# KiCad board LibreDAB.kicad_pcb
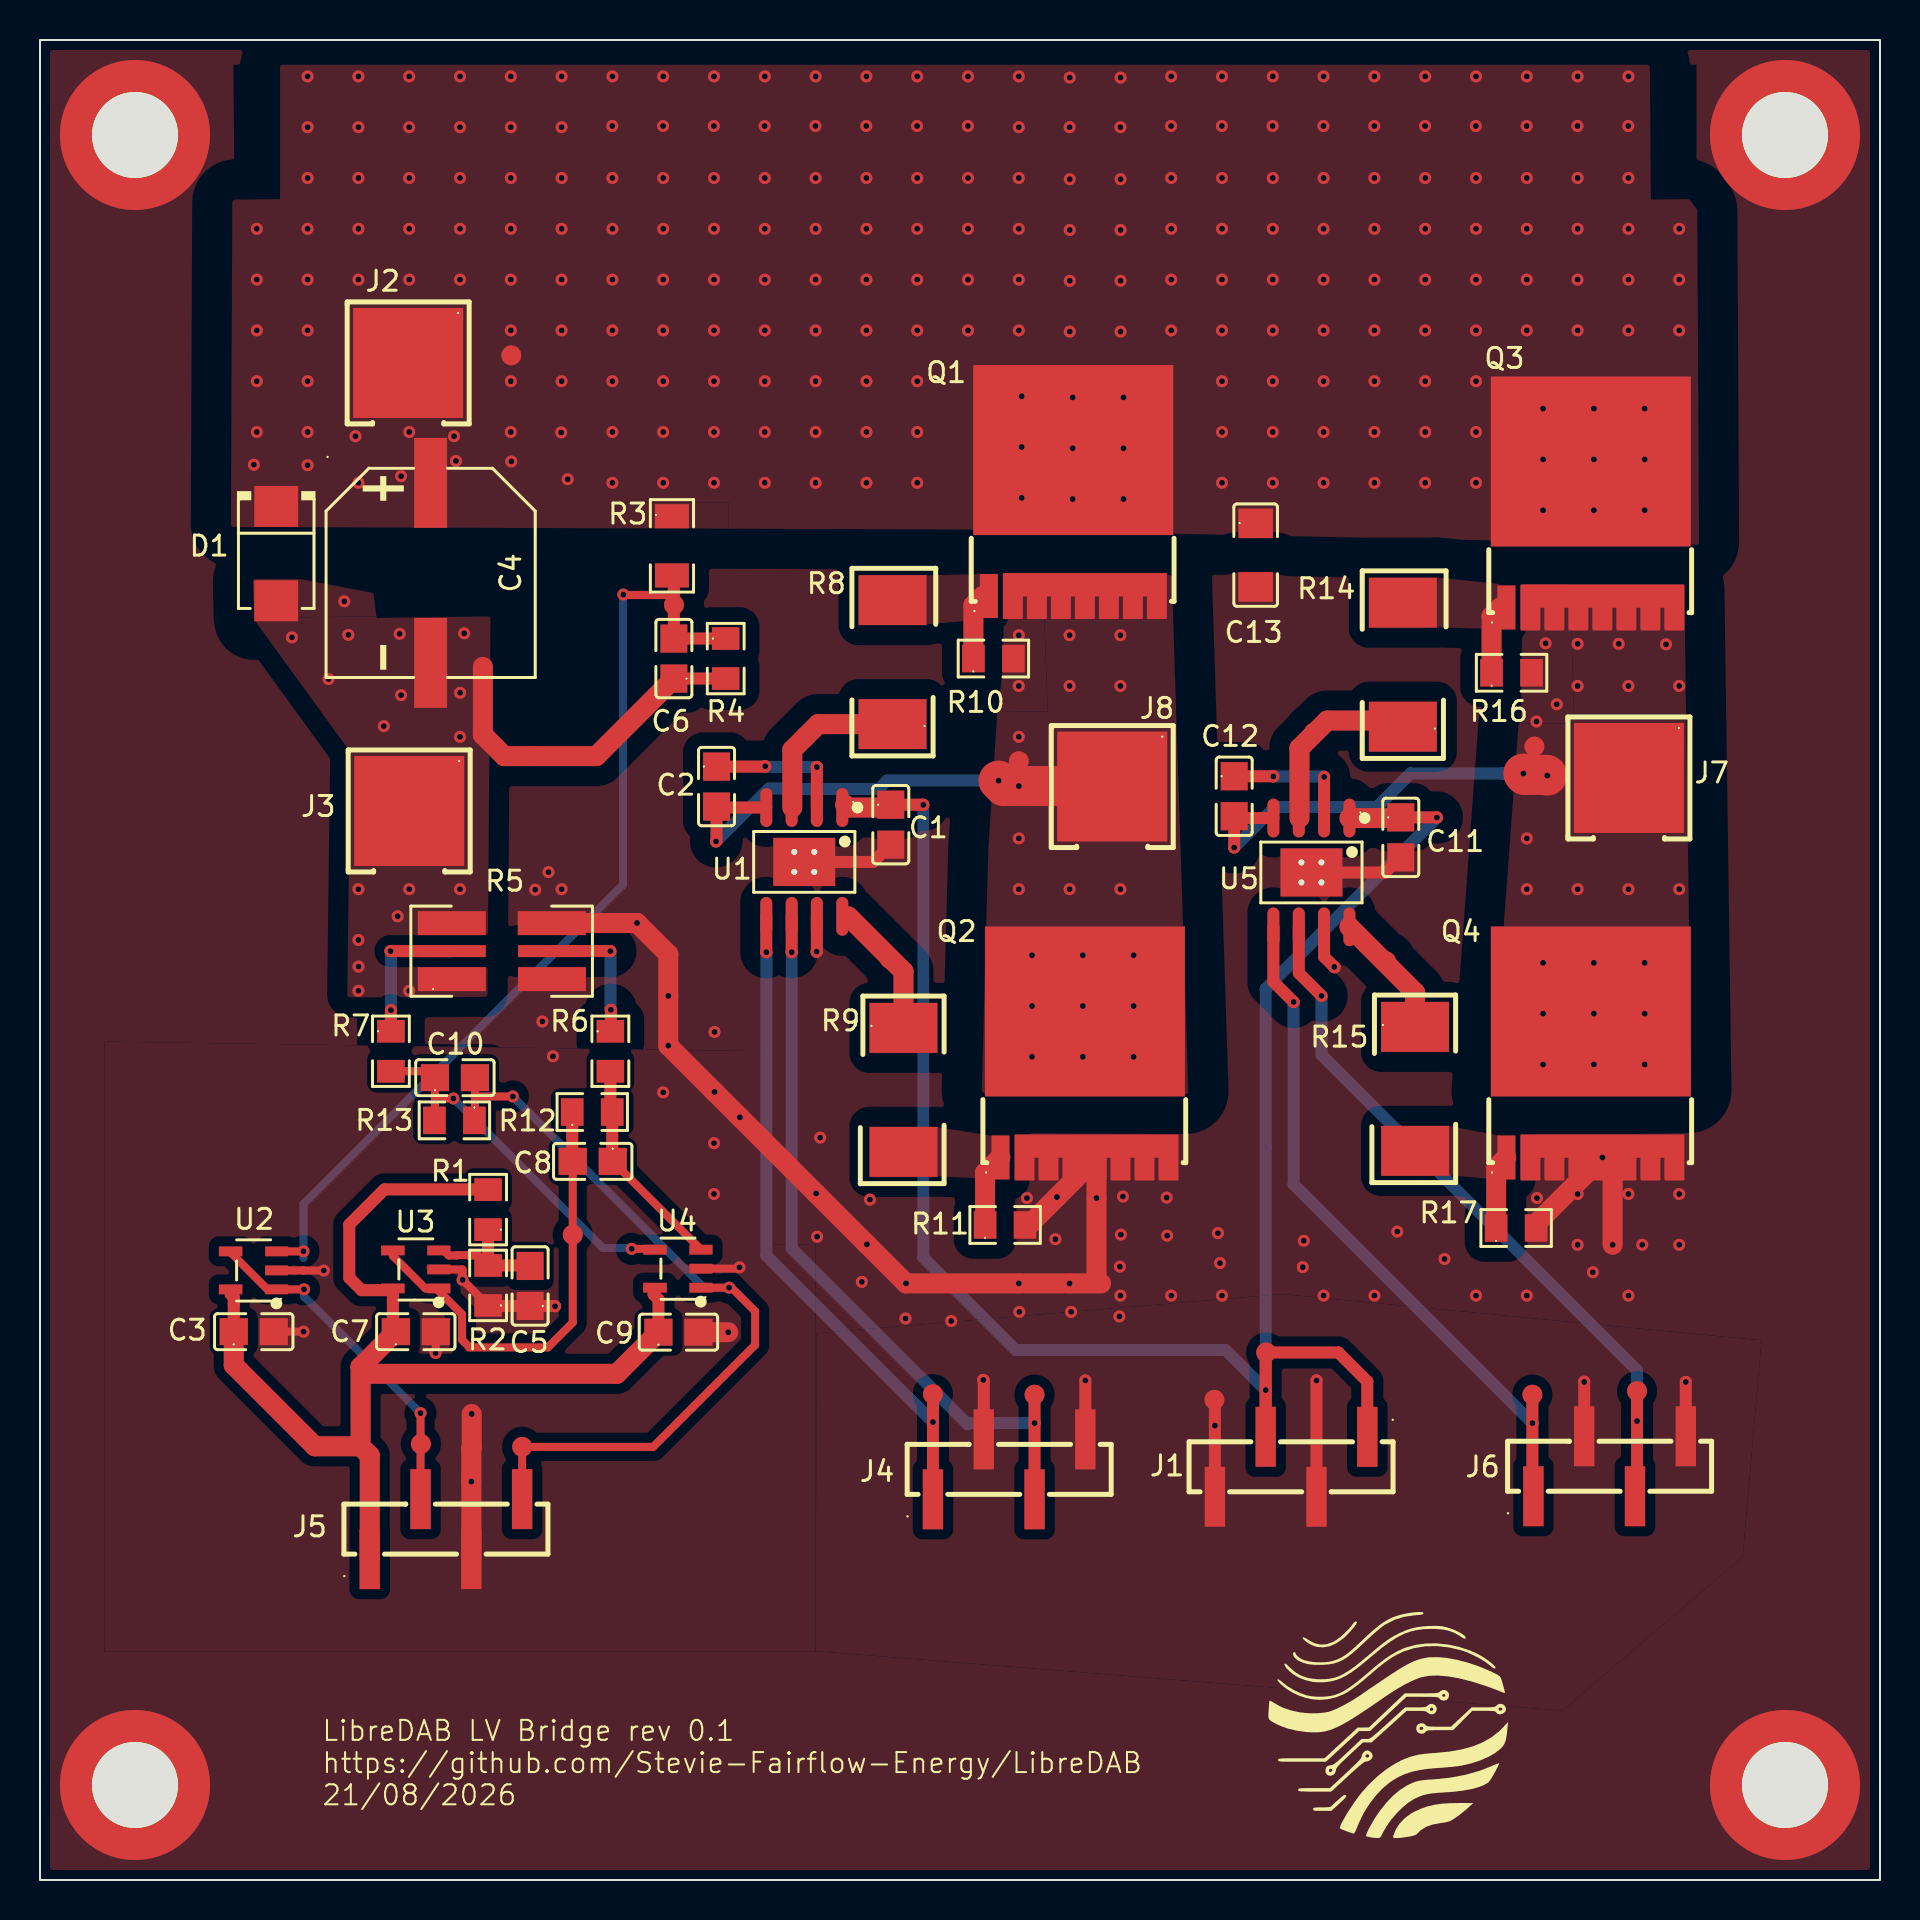
[diagram p0: board, top side]
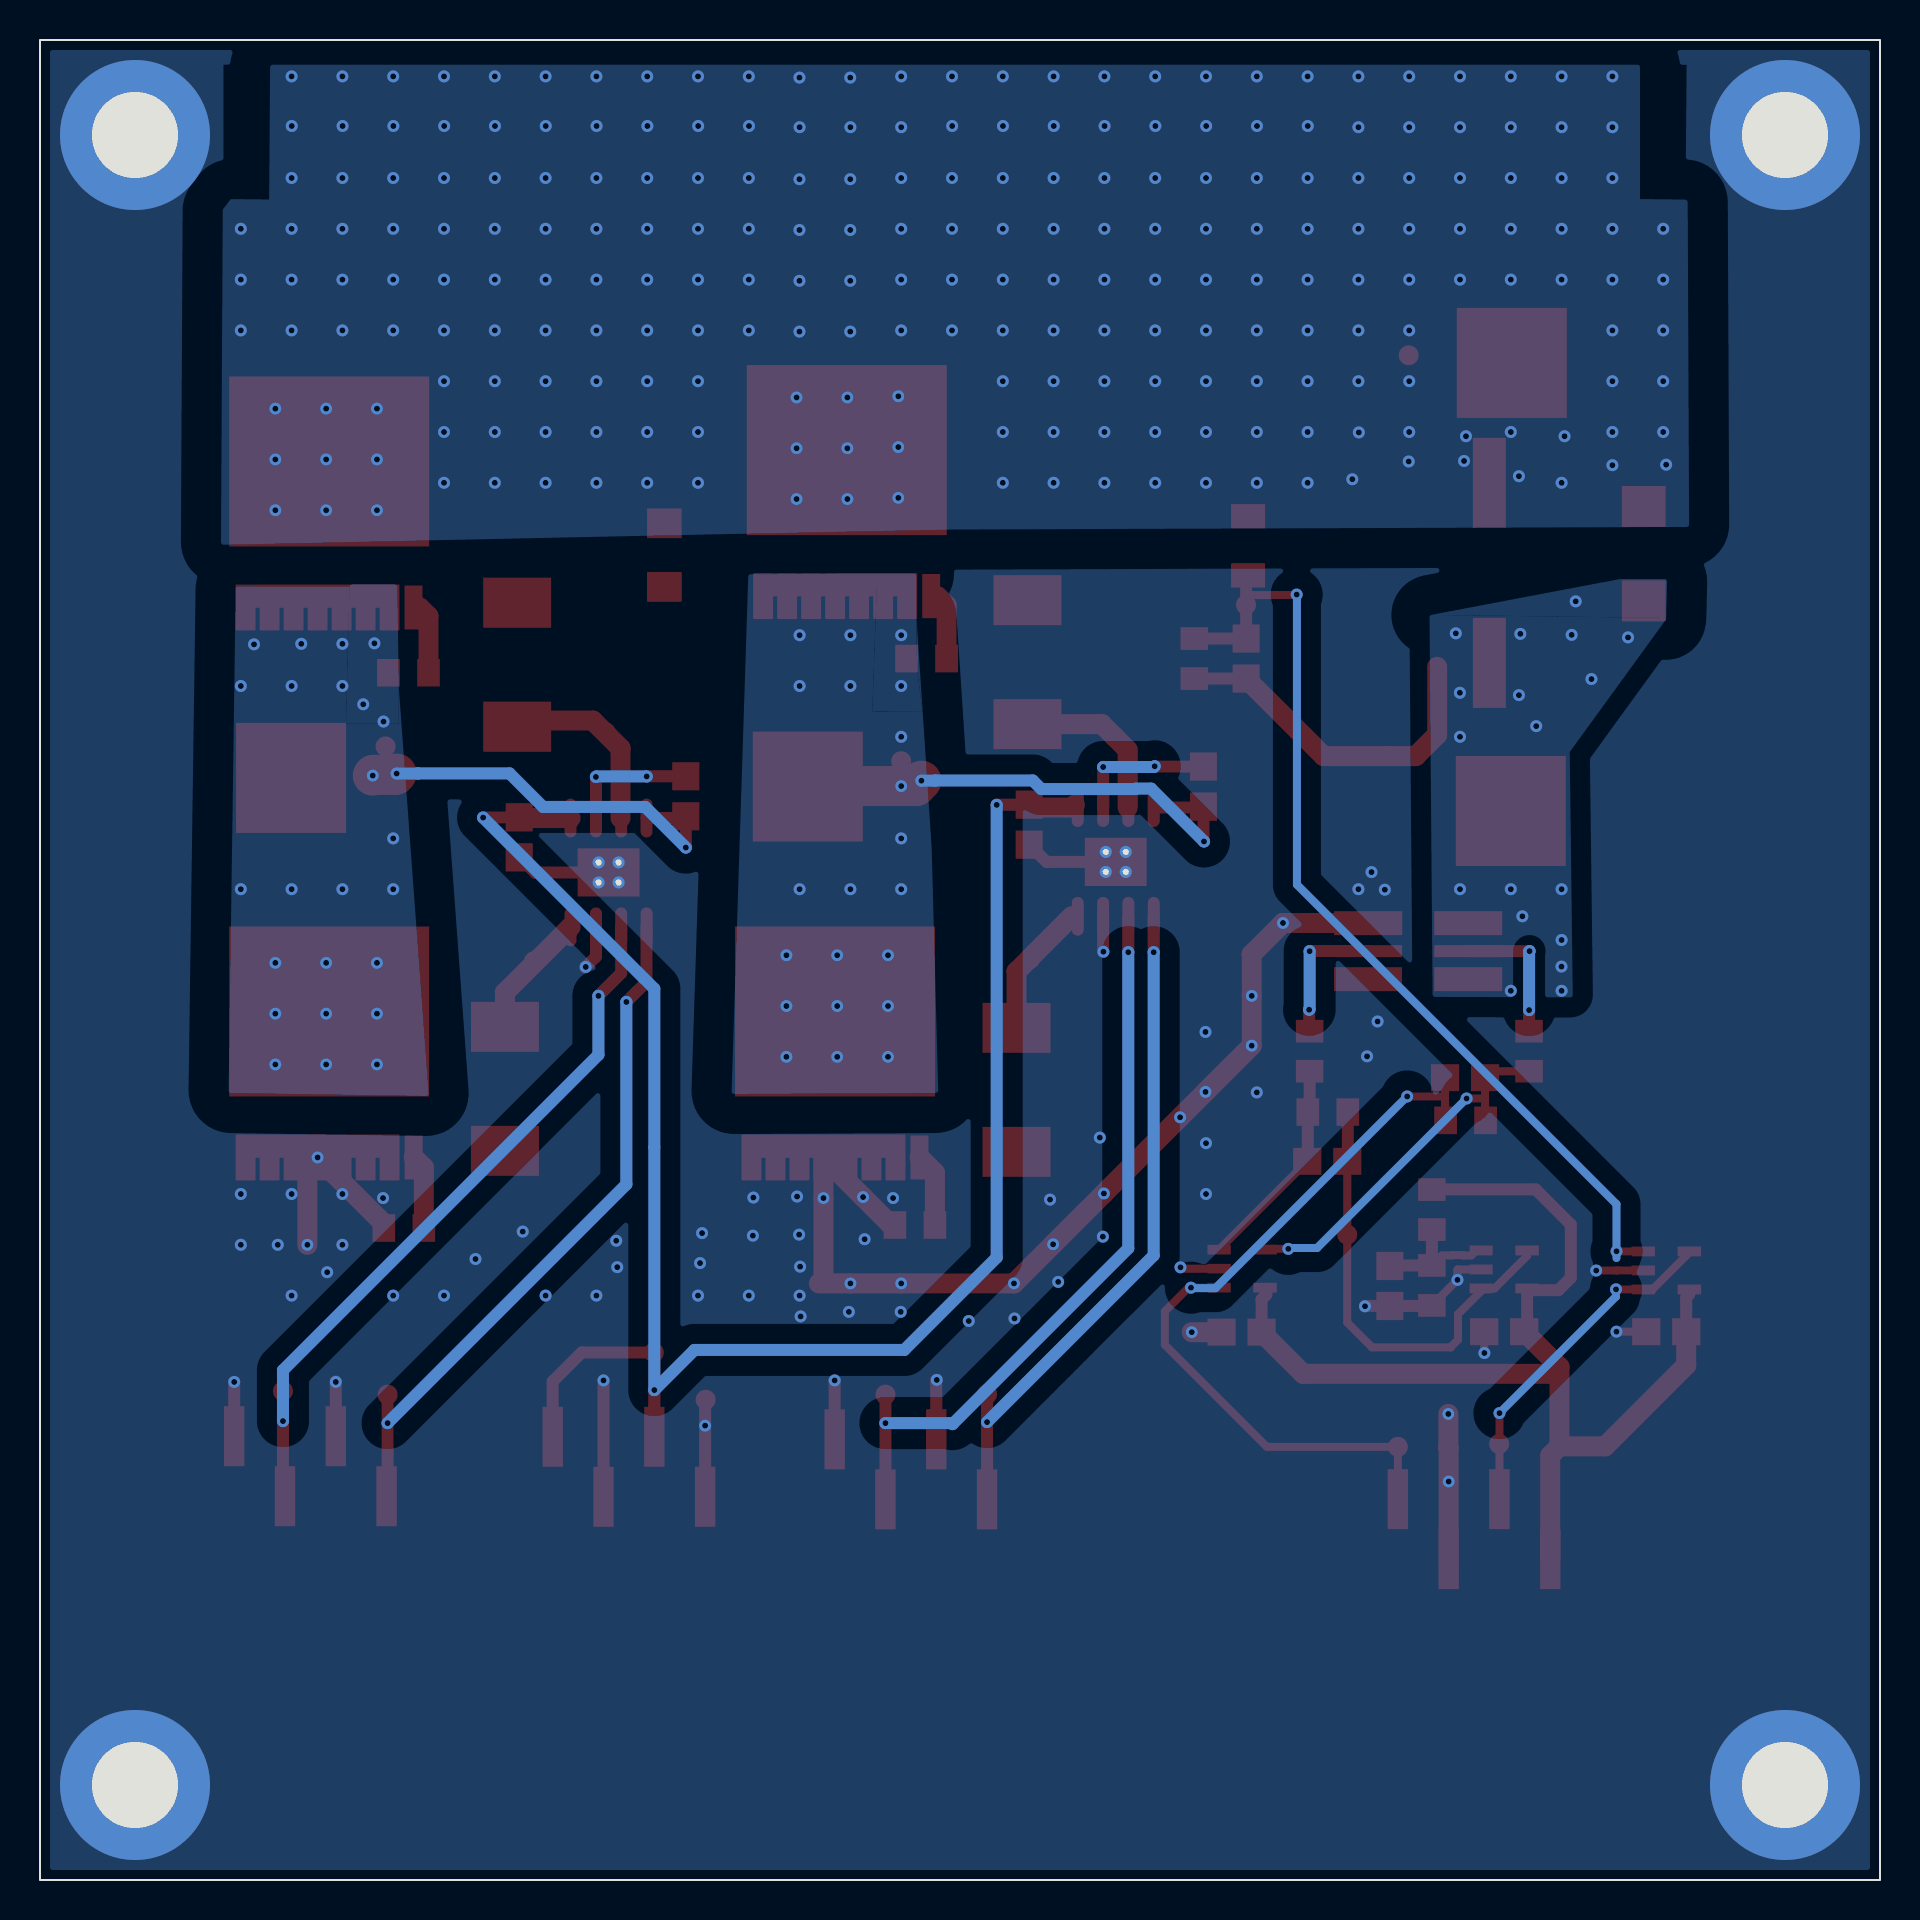
[diagram p1: board, bottom side, seen from below]

Outline 92 x 92 mm; copper layers: Top, In1.Cu, In2.Cu, Bottom. Coordinates in mm from the lower left corner of the outline.
Outline path: rectangle 0,92 92,0
Stack: Top 0.035mm / dielectric 0.1mm FR4 er 4.5 / In1.Cu 0.017mm / dielectric 1.24mm FR4 er 4.5 / In2.Cu 0.017mm / dielectric 0.1mm FR4 er 4.5 / Bottom 0.035mm

## Placement (name value [footprint] x y rotation side)
C1  4.7uF 50V X7S 0805  [C3861036_C0805]  42.54 52.77 270 top
C2  100nF 250V X7R 0805  [C5182461_C0805]  33.83 54.67 270 top
C3  4.7uF 50V X7S 0805  [C3861036_C0805]  10.69 27.42 0 top
C4  47uF, 100 V  [C3031594_CAP-SMD_BD10_0-L10_3-W10_3-FD]  19.53 65.36 270 top
C5  1nF (102) ±10% 50V  [C46653_C0805]  24.51 29.7 90 top
C6  1nF (102) ±10% 50V  [C46653_C0805]  31.69 61.07 90 top
C7  4.7uF 50V X7S 0805  [C3861036_C0805]  18.79 27.42 0 top
C8  20pF 50V C0G 0805  [C176292_C0805]  27.64 35.93 180 top
C9  4.7uF 50V X7S 0805  [C3861036_C0805]  31.92 27.39 0 top
C10  20pF 50V C0G 0805  [C176292_C0805]  20.75 40.12 0 top
C11  4.7uF 50V X7S 0805  [C3861036_C0805]  68.04 52.13 270 top
C12  100nF 250V X7R 0805  [C5182461_C0805]  59.71 54.19 270 top
C13  4.7uF ±10% 100V  [C41582415_C1206]  60.78 66.24 270 top
D1  TVS DIODE 60VWM 96.8VC SMB(DO-214AA)  [C49066953_SMB_L4_5-W3_7-LS5_4-RD]  11.81 66.32 270 top
H1  MountingHole_Pad  [MountingHole_4.3mm_M4_DIN965_Pad]  4.75 87.25 0 top
H2  MountingHole_Pad  [MountingHole_4.3mm_M4_DIN965_Pad]  87.25 87.25 0 top
H3  MountingHole_Pad  [MountingHole_4.3mm_M4_DIN965_Pad]  4.75 4.75 0 top
H4  MountingHole_Pad  [MountingHole_4.3mm_M4_DIN965_Pad]  87.25 4.75 0 top
J1  HX PM2.54-1X4P TP H8.5-ZQ  [C48641754_HDR-SMD_4P-P2_54-V-F-LS4_7-R1]  62.55 20.66 180 top
J2  TS30050050-040  [C51018168_SMD_L5_0-W5_0_CON1_5X5_SMD]  18.41 75.85 0 top
J3  TS30050050-040  [C51018168_SMD_L5_0-W5_0_CON1_5X5_SMD]  18.46 53.45 0 top
J4  HX PM2.54-1X4P TP H8.5-ZQ  [C48641754_HDR-SMD_4P-P2_54-V-F-LS4_7-R1]  48.46 20.53 0 top
J5  HX PM2.54-1X4P TP H8.5-ZQ  [C48641754_HDR-SMD_4P-P2_54-V-F-LS4_7-R1]  20.3 17.54 0 top
J6  HX PM2.54-1X4P TP H8.5-ZQ  [C48641754_HDR-SMD_4P-P2_54-V-F-LS4_7-R1]  78.48 20.69 0 top
J7  TS30050050-040  [C51018168_SMD_L5_0-W5_0_CON1_5X5_SMD]  79.45 55.1 0 top
J8  TS30050050-040  [C51018168_SMD_L5_0-W5_0_CON1_5X5_SMD]  53.61 54.67 0 top
LOGO1  N/A  [FFE_Logo_12x12mm_Silk]  67.43 8.08 0 top
Q1  SP010N01BGHTO  [C22385350_TOLL-8_L10_4-W9_9-P1_20-LS11_7-BL_2]  49.84 67.85 0 top
Q2  SP010N01BGHTO  [C22385350_TOLL-8_L10_4-W9_9-P1_20-LS11_7-BL_2]  50.43 39.78 0 top
Q3  SP010N01BGHTO  [C22385350_TOLL-8_L10_4-W9_9-P1_20-LS11_7-BL_2]  75.72 67.28 0 top
Q4  SP010N01BGHTO  [C22385350_TOLL-8_L10_4-W9_9-P1_20-LS11_7-BL_2]  75.72 39.78 0 top
R1  47kΩ ±0.1% 125mW 0805  [C2989281_R0805]  22.4 33.52 90 top
R2  12.1kΩ_±0.1%_125mW_0805  [C2989281_R0805]  22.4 29.73 90 top
R3  1MΩ ±0.1%  [C309662_R1206]  31.6 66.71 270 top
R4  25.5kΩ ±0.1%  [C865332_R0805]  34.28 61.07 270 top
R5  0.5mΩ ±1% 3W 2512  [C710260_RES-SMD_L6_4-W3_2_RLM25]  23.06 46.44 0 top
R6  10kΩ ±0.1% 125mW 0805  [C7431042_R0805]  28.52 41.44 270 top
R7  10kΩ ±0.1% 125mW 0805  [C7431042_R0805]  17.55 41.44 270 top
R8  3.3Ω ±5% 1W 2512  [C393074_RES-SMD_L6_4-W3_2-1]  42.63 60.89 90 top
R9  3.3Ω ±5% 1W 2512  [C393074_RES-SMD_L6_4-W3_2-1]  43.17 39.51 270 top
R10  10kΩ ±1% 0805  [C2907219_R0805]  47.67 61.07 0 top
R11  10kΩ ±1% 0805  [C2907219_R0805]  48.25 32.75 0 top
R12  330kΩ ±0.1% 125mW 0805  [C865408_R0805]  27.61 38.4 0 top
R13  330kΩ ±0.1% 125mW 0805  [C865408_R0805]  20.72 37.98 180 top
R14  3.3Ω ±5% 1W 2512  [C393074_RES-SMD_L6_4-W3_2-1]  68.14 60.77 90 top
R15  3.3Ω ±5% 1W 2512  [C393074_RES-SMD_L6_4-W3_2-1]  68.75 39.56 270 top
R16  10kΩ ±1% 0805  [C2907219_R0805]  73.58 60.36 0 top
R17  10kΩ ±1% 0805  [C2907219_R0805]  73.81 32.6 0 top
TP1  TestPoint_Probe  [TestPoint_Pad_D1.0mm]  61.31 26.38 0 top
TP2  TestPoint_Probe  [TestPoint_Pad_D1.0mm]  44.65 24.29 0 top
TP3  TestPoint_Probe  [TestPoint_Pad_D1.0mm]  19.04 21.8 0 top
TP4  TestPoint_Probe  [TestPoint_Pad_D1.0mm]  16.03 21.68 0 top
TP5  TestPoint_Probe  [TestPoint_Pad_D1.0mm]  24.66 56.19 0 top
TP6  TestPoint_Probe  [TestPoint_Pad_D1.0mm]  23.57 76.24 0 top
TP7  TestPoint_Probe  [TestPoint_Pad_D1.0mm]  49.73 24.27 0 top
TP8  TestPoint_Probe  [TestPoint_Pad_D1.0mm]  31.7 63.76 0 top
TP9  TestPoint_Probe  [TestPoint_Pad_D1.0mm]  74.62 24.27 0 top
TP10  TestPoint_Probe  [TestPoint_Pad_D1.0mm]  31.41 46.29 0 top
TP11  TestPoint_Probe  [TestPoint_Pad_D1.0mm]  26.64 32.27 0 top
TP12  TestPoint_Probe  [TestPoint_Pad_D1.0mm]  79.85 24.44 0 top
TP13  TestPoint_Probe  [TestPoint_Pad_D1.0mm]  38.3 57.19 0 top
TP14  TestPoint_Probe  [TestPoint_Pad_D1.0mm]  42.49 46.06 0 top
TP15  TestPoint_Probe  [TestPoint_Pad_D1.0mm]  48.94 55.94 0 top
TP16  TestPoint_Probe  [TestPoint_Pad_D1.0mm]  63.7 57.36 0 top
TP17  TestPoint_Probe  [TestPoint_Pad_D1.0mm]  67.3 45.93 0 top
TP18  TestPoint_Probe  [TestPoint_Pad_D1.0mm]  24.11 21.66 0 top
TP19  TestPoint_Probe  [TestPoint_Pad_D1.0mm]  74.72 56.68 0 top
TP20  TestPoint_Probe  [TestPoint_Pad_D1.0mm]  58.72 24.01 0 top
TP21  TestPoint_Probe  [TestPoint_Pad_D1.0mm]  21.58 21.63 0 top
U1  UCC27211DDAR  [C141980_SOIC-8_L4_9-W3_9-P1_27-LS6_0-BL-EP]  38.21 50.9 180 top
U2  10 MHz Opamp  [C398358_SOT-23-5_L3_0-W1_7-P0_95-LS2_8-BL]  10.68 30.48 90 top
U3  10 MHz Opamp  [C398358_SOT-23-5_L3_0-W1_7-P0_95-LS2_8-BL]  18.79 30.53 90 top
U4  10 MHz Opamp  [C398358_SOT-23-5_L3_0-W1_7-P0_95-LS2_8-BL]  31.9 30.57 90 top
U5  UCC27211DDAR  [C141980_SOIC-8_L4_9-W3_9-P1_27-LS6_0-BL-EP]  63.57 50.38 180 top

## Library data of the parts
C1 C3 C7 C9 C11 = -: Datasheet: https://wmsc.lcsc.com/wmsc/upload/file/pdf/v2/lcsc/2308111526_Murata-Electronics-GRT21BC71H475KE13L_C3861036.pdf; Description: GRT21BC71H475KE13L; LCSC Part: C3861036; LCSC: C3861036; Manufacturer: muRata(村田)
C2 C12 = -: Datasheet: https://wmsc.lcsc.com/wmsc/upload/file/pdf/v2/lcsc/2211281000_YAGEO-CC0805KKX7RYBB104_C5182461.pdf; Description: CC0805KKX7RYBB104; LCSC Part: C5182461; LCSC: C5182461; Manufacturer: YAGEO(国巨)
C4 = -: Datasheet: https://www.lcsc.com/datasheet/C54525311.pdf?spm=wm.sxq.inf.ggs___wm.fly.bg.6.xh&lcsc_vid=TlJfVFxXTwJfAQJSQVVfAgZVRlgIVwJTRwVcVgdUQFkxVlNeQFJeU1RRT1heUTsOAxUeFF5JWBYZEEoKFBINSQcJGk4eFQsCAgIaSgADAwAHC0slRFFdVlFfQ08GEwkK; Description: SM476M100G1150; LCSC Part: C3031594; LCSC: C54525311; Manufacturer: Lelon(立隆)
C5 C6 = -: Datasheet: https://www.lcsc.com/datasheet/lcsc_datasheet_2304140030_Samsung-Electro-Mechanics-CL21B102KBCNNNC_C46653.pdf; LCSC Part: C46653; LCSC: C46653; Manufacturer: SAMSUNG(三星)
C8 C10 = -: Datasheet: https://www.lcsc.com/datasheet/lcsc_datasheet_2304140030_FH--Guangdong-Fenghua-Advanced-Tech-0805CG200F500NT_C176292.pdf; Description: CAP CER 20pF 50V C0G 0805; LCSC Part: C176292; LCSC: C176292; Manufacturer: FH(风华)
C13 = -: Datasheet: https://www.lcsc.com/datasheet/C41582415.pdf?spm=wm.sxq.inf.ggs___wm.fly.bg.2.xh&lcsc_vid=TlJfVFxXTwJfAQJSQVVfAgZVRlgIVwJTRwVcVgdUQFkxVlNeQFJeU1FWRFRcVTsOAxUeFF5JWBYZEEoKFBINSQcJGk4eFQsCAgIaSgADAwAHC0slQlVXVlJRQlNADxALGw%3D%3D; Description: C1206X475K101TEF; LCSC Part: C41582415; LCSC: C41582415; Manufacturer: IHHEC(禾伸堂)
D1 = -: Datasheet: https://www.lcsc.com/datasheet/C49066953.pdf?spm=wm.sxq.inf.ggs___wm.fly.bg.7.xh&lcsc_vid=FANbVFRST1hfU1JfR1ZbXlBfEgcPVgcEQgNYBlVSEwAxVlNeQlBaXlFfQ1JYXjsOAxUeFF5JWBYZEEoKFBINSQcJGk4eFQsCAgIaSgADAwAHC0slRlRfVVBRWQkaCgg%3D; Description: SMBJ60A TVS; LCSC Part: C49066953; LCSC: C49066953; Manufacturer: R+O(宏嘉诚)
H1-H4 = -: Description: Mounting Hole with connection; LCSC: C2916333; ki_fp_filters: MountingHole*Pad*
J1 J4-J6 = -: Datasheet: https://www.lcsc.com/datasheet/lcsc_datasheet_2504301452_hanxia-HX-PM2-54-1x4P-TP-H8-5-ZQ_C48641754.pdf; LCSC Part: C48641754; LCSC: C48641754; Manufacturer: hanxia(韩下)
J2 J3 J7 J8 = -: Datasheet: None; LCSC Part: C51018168; LCSC: C51018168; Manufacturer: XFCN(兴飞)
LOGO1 = -: Description: Fairflow Energy Logo
Q1-Q4 = -: Datasheet: https://wmsc.lcsc.com/wmsc/upload/file/pdf/v2/lcsc/2404191548_Siliup-SP010N01BGHTO_C22385350.pdf; LCSC Part: C22385350; LCSC: C22385350; Manufacturer: Siliup(矽普)
R1 = -: Datasheet: https://wmsc.lcsc.com/wmsc/upload/file/pdf/v2/lcsc/2207251830_UNI-ROYAL-Uniroyal-Elec-TC0525B4702T5G_C2989281.pdf; Description: TC0525B4702T5G; LCSC Part: C2989281; LCSC: C2989281; Manufacturer: UNI-ROYAL(厚声)
R2 = -: Datasheet: https://www.lcsc.com/datasheet/C1509644.pdf?spm=wm.sxq.inf.ggs___wm.fly.bg.0.xh&lcsc_vid=TgBeUVVQE1gPXlUAFQILUFRVRlQIBFwCTgQLUAcERVQxVlNeQ1ZfUV1RQFJdUzsOAxUeFF5JWBYZEEoKFBINSQcJGk4NBhADEA4cHktXRlhXSQwSGg0%3D; Description: ARG05BTC1212N; LCSC Part: C2989281; LCSC: C1509644; Manufacturer: Viking
R3 = -: Datasheet: https://wmsc.lcsc.com/wmsc/upload/file/pdf/v2/lcsc/2304140030_YAGEO-RT1206BRD071ML_C309662.pdf; Description: RT1206BRD071ML; LCSC Part: C309662; LCSC: C309662; Manufacturer: YAGEO(国巨)
R4 = -: Datasheet: https://wmsc.lcsc.com/wmsc/upload/file/pdf/v2/lcsc/2210081801_YAGEO-RT0805BRD0725K5L_C865332.pdf; Description: RT0805BRD0725K5L; LCSC Part: C865332; LCSC: C865332; Manufacturer: YAGEO(国巨)
R5 = -: Datasheet: https://wmsc.lcsc.com/wmsc/upload/file/pdf/v2/lcsc/2304140030_TA-I-Tech-RLM25FEGMR50M_C710260.pdf; Description: RLM25FEGMR50M; LCSC Part: C710260; Notes: https://www.analog.com/en/resources/analog-dialogue/articles/optimize-high-current-sensing-accuracy.html; LCSC: C710260; Manufacturer: 大毅科技
R6 R7 = -: Datasheet: https://wmsc.lcsc.com/wmsc/upload/file/pdf/v2/lcsc/2307211812_UNI-ROYAL-Uniroyal-Elec-TC0525B1002T5G_C7431042.pdf; Description: TC0525B1002T5G; LCSC Part: C7431042; LCSC: C7431042; Manufacturer: UNI-ROYAL(厚声)
R8 R9 R14 R15 = -: Datasheet: https://www.lcsc.com/datasheet/C55115149.pdf?spm=wm.sxq.inf.ggs___wm.fly.bg.0.xh&lcsc_vid=Q1VXVl1XEgNWVQEDRwBXU1MEElRaVFwAQgdfVFZQR1gxVlNeRFhbUVxTTlBYXzsOAxUeFF5JWBYZEEoKFBINSQcJGk4eFQsCAgIaSgADAwAHC0slQlBWVVBQRk8GEwkK; Description: HRC2512J3R3 LNTN; LCSC Part: C393074; LCSC: C55115149; Manufacturer: HWA CHN
R10 R11 R16 R17 = -: Datasheet: https://wmsc.lcsc.com/wmsc/upload/file/pdf/v2/lcsc/2308241947_FOJAN-FRC0805F1002TS_C2907219.pdf; Description: FRC0805F1002TS; LCSC Part: C2907219; LCSC: C2907219; Manufacturer: FOJAN(富捷)
R12 R13 = -: Datasheet: https://wmsc.lcsc.com/wmsc/upload/file/pdf/v2/lcsc/2311211102_YAGEO-RT0805BRD07330KL_C865408.pdf; Description: RT0805BRD07330KL; LCSC Part: C865408; LCSC: C865408; Manufacturer: YAGEO(国巨)
TP1-TP21 = -: Description: test point (alternative probe-style design); ki_fp_filters: Pin* Test*
U1 U5 = -: Datasheet: https://www.lcsc.com/datasheet/lcsc_datasheet_1808280155_Texas-Instruments-UCC27211DDAR_C141980.pdf; LCSC Part: C141980; LCSC: C141980; Manufacturer: TI(德州仪器)
U2-U4 = -: Datasheet: https://www.lcsc.com/datasheet/lcsc_datasheet_1912111437_Texas-Instruments-TLV9061IDBVR_C398358.pdf; Description: TLV9061IDBVR; LCSC Part: C398358; LCSC: C398358; Manufacturer: TI(德州仪器)

## Footprints (pads in the part's own frame, mm; a bottom-side part is the same pattern mirrored in y, then rotated)
C46653_C0805
  rect 1.41x1.35 smd: 1(-1,0) 2(1,0)
C141980_SOIC-8_L4_9-W3_9-P1_27-LS6_0-BL-EP
  oval 0.602x1.941 smd: 1(-1.9,-2.72) 2(-0.63,-2.72) 3(0.63,-2.72) 4(1.9,-2.72) 5(1.9,2.72) 6(0.63,2.72) 7(-0.63,2.72) 8(-1.9,2.72)
  round 0.61 hole 0.3: 9(-0.5,0.5) 9(-0.5,-0.5) 9(0.5,0.5) 9(0.5,-0.5)
  rect 3.098x2.41 smd: 9(0,0)
C176292_C0805
  rect 1.41x1.35 smd: 1(-1,0) 2(1,0)
C309662_R1206
  rect 1.208x1.701 smd: 1(-1.48,0) 2(1.48,0)
C393074_RES-SMD_L6_4-W3_2-1
  rect 2.5x3.4 smd: 1(-3.1,0) 2(3.1,0)
C398358_SOT-23-5_L3_0-W1_7-P0_95-LS2_8-BL
  rect 0.49x1.157 smd: 1(-0.95,-1.15) 2(0,-1.15) 3(0.95,-1.15)
  rect 0.49x1.175 smd: 4(0.95,1.15) 5(-0.95,1.15)
C710260_RES-SMD_L6_4-W3_2_RLM25
  rect 3.4x1.2 smd: 1(-2.475,1.4) 1(-2.475,-1.4) 2(2.525,1.4) 2(2.535,-1.4)
  rect 3.4x0.6 smd: 3(-2.475,0) 4(2.535,0)
C865332_R0805
  rect 1.133x1.377 smd: 1(-1,0) 2(1,0)
C865408_R0805
  rect 1.133x1.377 smd: 1(-1,0) 2(1,0)
C2907219_R0805
  rect 1.133x1.377 smd: 1(-1,0) 2(1,0)
C2989281_R0805
  rect 1.133x1.377 smd: 1(-1,0) 2(1,0)
C3031594_CAP-SMD_BD10_0-L10_3-W10_3-FD
  rect 4.5x1.65 smd: 1(-4.5,0) 2(4.5,0)
C3861036_C0805
  rect 1.41x1.35 smd: 1(-1,0) 2(1,0)
C5182461_C0805
  rect 1.41x1.35 smd: 1(-1,0) 2(1,0)
C7431042_R0805
  rect 1.133x1.377 smd: 1(-1,0) 2(1,0)
C22385350_TOLL-8_L10_4-W9_9-P1_20-LS11_7-BL_2
  rect 0.9x2.2 smd: 1(-2.4,-3.65)
  custom 8.2x2.3 smd: 2(2.4,-3.65)
  rect 10x8.5 smd: 3(1.82,3.65)
C41582415_C1206
  rect 1.485x1.728 smd: 1(-1.59,0) 2(1.59,0)
C48641754_HDR-SMD_4P-P2_54-V-F-LS4_7-R1
  rect 1.02x3 smd: 1(-3.81,-1.5) 2(-1.27,1.5) 3(1.27,-1.5) 4(3.81,1.5)
C49066953_SMB_L4_5-W3_7-LS5_4-RD
  rect 2.047x2.192 smd: 1(-2.36,0) 2(2.36,0)
C51018168_SMD_L5_0-W5_0_CON1_5X5_SMD
  rect 5.5x5.5 smd: 1(0,0)
MountingHole_4.3mm_M4_DIN965_Pad
  round 7.5 hole 4.3: 1(0,0)
TestPoint_Pad_D1.0mm
  round 1 smd: 1(0,0)

## Nets
+5V: C3.1 C7.1 C9.1 J5.1 R1.2 TP4.1 U2.5 U3.5 U4.5
+12V: C1.1 C11.1 J1.1 J1.3 TP1.1 U1.1 U5.1
/LV_Bridge/GND_sense: R5.4 R6.1
GND: C1.2 C3.2 C5.1 C7.2 C9.2 C11.2 C13.2 H1.1 H2.1 H3.1 H4.1 J1.2 J1.4 J4.2 J4.4 J5.3 J6.2 J6.4 Q2.2 Q4.2 R2.1 R5.2 R11.2 R17.2 TP10.1 TP20.1 TP21.1 U1.7 U1.9 U2.2 U3.2 U4.2 U5.7 U5.9
/LV_Bridge/HO1: R8.1 TP13.1 U1.3
/LV_Bridge/HO2: R14.1 TP16.1 U5.3
/LV_Bridge/I_LVsense: C10.2 J5.4 R13.1 TP18.1 U4.1
/LV_Bridge/LO1: R9.1 TP14.1 U1.8
/LV_Bridge/LO2: R15.1 TP17.1 U5.8
/LV_Bridge/LSW1: C2.2 J8.1 Q1.2 Q2.3 R10.2 TP15.1 U1.4
/LV_Bridge/LSW2: C12.2 J7.1 Q3.2 Q4.3 R16.2 TP19.1 U5.4
/LV_Bridge/PWM-H1: J4.1 TP2.1 U1.5
/LV_Bridge/PWM-H2: J6.1 TP9.1 U5.5
/LV_Bridge/PWM-L1: J4.3 TP7.1 U1.6
/LV_Bridge/PWM-L2: J6.3 TP12.1 U5.6
/LV_Bridge/V_LV+: C4.1 C13.1 D1.1 J2.1 Q1.3 Q3.3 R3.1 TP6.1
/LV_Bridge/V_LV-: C4.2 C6.1 D1.2 J3.1 R4.2 R5.1 TP5.1
/LV_Bridge/V_LV-_sense: R5.3 R7.1
/LV_Bridge/V_LV_Divider: C6.2 R3.2 R4.1 TP8.1 U2.3
/LV_Bridge/V_LVsense: J5.2 TP3.1 U2.1 U2.4
/LV_Bridge/Vref: C8.2 R12.1 TP11.1 U3.1 U3.4
Net-(Q1-G): Q1.1 R8.2 R10.1
Net-(Q2-G): Q2.1 R9.2 R11.1
Net-(Q3-G): Q3.1 R14.2 R16.1
Net-(Q4-G): Q4.1 R15.2 R17.1
Net-(U1-HB): C2.1 U1.2
Net-(U3-IN+): C5.2 R1.1 R2.2 U3.3
Net-(U4-IN+): C8.1 R6.2 R12.2 U4.3
Net-(U4-IN-): C10.1 R7.2 R13.2 U4.4
Net-(U5-HB): C12.1 U5.2

## Via types
v1: diameter 0.6, hole 0.3, Top to Bottom, 412 vias

## Routing (per net, layer and track width the routed paths; a pad name or vN(x,y) marks a point on that pad's centre or on a via; arc(x,y) is an arc through that point)
+5V: length 57.1
  Top w0.4: U4.5 30.75,29.21
  Top w0.6: R1.2 22.4,34.53 17.22,34.53 15.46,32.78 15.46,30.11 16.08,29.49 17.6,29.49 17.6,29.39 17.64,29.35 17.64,27.56 C7.1 ; C3.1 9.69,29.13 9.53,29.29 ; C9.1 30.92,29.03 30.68,29.27 30.68,29.31
  Top w1: TP4.1 13.75,21.68 9.69,25.74 C3.1 ; TP4.1 16.49,21.23 J5.1 ; TP4.1 16.03,25.66 ; C9.1 28.84,25.31 16.38,25.31 16.03,25.66 ; 16.03,25.66 C7.1
+12V: length 98.1
  Top w0.6: v1(61.28,24.5) J1.3 61.28,26.35 TP1.1 64.92,26.38 66.36,24.93 J1.1 ; C11.1 69.83,53.13 v1(69.84,53.12) ; v1(44.16,53.76) 44.16,53.77 C1.1
  Top w1: C11.1 68.01,53.1 U5.1 ; C1.1 42.4,53.62 40.4,53.62 40.26,53.77
  Bottom w0.6: v1(69.84,53.12) 61.28,44.56 v1(61.28,24.5) 59.28,26.5 48.79,26.5 44.16,31.12 v1(44.16,53.76)
/LV_Bridge/GND_sense: length 6.9
  Top w0.6: v1(28.54,43.51) 28.54,42.44 ; 25.63,46.45 28.51,46.45 v1(28.52,46.44)
  Bottom w0.6: v1(28.54,43.51) 28.52,43.54 v1(28.52,46.44)
GND: length 117.3
  Top w0.2: v1(78.12,36.13) 78.33,36.13 78.71,35.75 78.63,35.67 ; 52.97,29.92 53.08,29.8 ; 52.97,29.92 52.83,30.06 ; 52.97,29.92 53.05,29.83
  Top w0.4: C3.2 v1(13.18,27.42) ; U2.2 13.17,30.48 13.17,30.47 v1(14.19,30.47) ; v1(19.78,26.35) 19.79,26.36 C7.2 ; v1(21.13,30.01) 21.13,30.52 21.11,30.53 U3.2 ; v1(21.13,30.01) 21.13,30.41 ; v1(21.13,30.01) R2.1 ; v1(34.98,30.63) 34.91,30.57 U4.2
  Top w0.6: C1.2 42.53,51.77 41.67,50.9 U1.9 ; TP20.1 58.74,23.99 v1(58.74,22.72) J1.4 ; 64.74,45.63 v1(64.71,45.65) 64.2,46.17 U5.7 ; C11.2 68.01,51.13 67.23,50.35 67.2,50.38 U5.9 ; J6.4 v1(82.29,24.9) ; J1.2 v1(63.82,24.98) ; J6.2 v1(77.21,24.9) 77.21,24.93 ; R2.1 22.43,28.73 22.47,28.69 22.49,28.7 C5.1 25.73,28.7 v1(25.75,28.69) ; J4.4 v1(52.27,24.98) ; v1(38.83,46.42) 38.84,46.43 U1.7 ; v1(47.16,25) 47.19,24.98 J4.2
  Top w1: 53.05,29.83 v1(51.48,29.83) v1(48.94,29.83) v1(43.3,29.83) v1(41.35,31.79) v1(38.81,34.33) v1(35,38.14) v1(33.73,39.41) v1(31.41,41.72) v1(31.41,44.21) TP10.1 v1(29.85,47.85) 25.62,47.85 ; J5.3 v1(21.57,19.92) 21.57,21.61 TP21.1 v1(21.58,23.3) ; R11.2 49.45,32.75 v1(50.85,34.15) Q2.2 v1(52.83,34.1) 52.83,30.06 ; v1(78.12,36.13) 74.81,32.81 R17.2 ; v1(78.63,31.76) 78.63,35.67 ; C9.2 v1(34.41,27.39)
  vias: v1(24.76,49.51) v1(25.12,42.93) v1(25.43,50.39) v1(25.65,41.18) v1(26.08,49.54) v1(31.16,39.38) v1(33.73,42.4) v1(33.7,36.84) v1(33.7,34.3) v1(38.86,32.17) v1(39.01,37.12) v1(41.09,29.91) v1(41.5,34.02) v1(43.28,28.08) v1(45.56,27.95) v1(48.97,28.41) v1(49.35,34.1) v1(50.77,32.04) v1(51.56,28.41) v1(54.05,32.27) v1(53.99,30.67) v1(54.02,29.22) v1(53.97,28.18) v1(54.15,34.17) v1(56.33,34.12) v1(56.36,32.22) v1(56.56,29.22) v1(58.9,32.34) v1(59,30.85) v1(59.1,29.22) v1(63.14,30.64) v1(63.19,31.96) v1(64.18,29.22) v1(66.72,29.22) v1(67.86,32.42) v1(70.23,31.05) v1(71.8,29.22) v1(74.34,29.22) v1(74.85,34.1) v1(76.88,34.3) v1(76.88,31.76) v1(77.64,30.39) v1(79.42,34.3) v1(79.42,29.22) v1(80.11,31.76) v1(81.96,34.3) v1(81.96,31.76)
/LV_Bridge/HO1: length 8.4
  Top w1: 37.62,53.62 37.62,56.5 38.91,57.79 R8.1
/LV_Bridge/HO2: length 9.2
  Top w1: 62.97,53.1 62.97,56.59 64.36,57.97 68.15,57.97
/LV_Bridge/I_LVsense: length 40.1
  Top w0.4: C10.2 21.75,39.18 ; 21.75,39.18 v1(23.64,39.18) ; 21.75,39.18 21.75,38.01 R13.1 ; U4.1 v1(34.45,29.62) 34.49,29.65 34.54,29.65 35.76,28.43 35.76,26.76 30.66,21.66 TP18.1 J5.4
  Bottom w0.4: v1(23.64,39.18) 33.23,29.59 34.43,29.59 v1(34.45,29.62)
/LV_Bridge/LO1: length 6.7
  Top w1: 40.42,48.18 43.17,45.43 R9.1
/LV_Bridge/LO2: length 6.4
  Top w1: U5.8 68.75,44.38 R15.1
/LV_Bridge/LSW1: length 27.4
  Top w0.6: U1.4 33.87,53.62 C2.2 33.83,51.95 v1(33.8,51.93)
  Top w2: v1(47.93,54.97) 48.2,54.7 v1(48.94,54.7) 53.59,54.7 J8.1 52.24,56.04
  Bottom w0.6: v1(33.8,51.93) 36.44,54.57 37.21,54.57 37.23,54.55 41.93,54.55 42.36,54.98 47.24,54.98 47.25,54.97 v1(47.93,54.97)
  vias: v1(48.94,62.24) v1(48.94,59.7) v1(48.94,57.16) v1(48.94,52.08) v1(48.94,49.54) v1(49.6,46.24) v1(49.6,43.7) v1(49.6,41.16) v1(51.48,62.24) v1(51.48,59.7) v1(51.48,49.54) v1(52.14,46.24) v1(52.14,43.7) v1(52.14,41.16) v1(54.02,62.24) v1(54.02,59.7) v1(54.02,49.54) v1(54.68,46.24) v1(54.68,43.7) v1(54.68,41.16)
/LV_Bridge/LSW2: length 21
  Top w0.6: v1(59.71,51.62) C12.2 59.8,53.1 U5.4
  Top w2: v1(75.36,55.22) 75.33,55.25 74.24,55.25 v1(74.17,55.32) ; 79.29,55.25 J7.1
  Bottom w0.6: v1(59.71,51.62) 61.74,53.65 66.85,53.65 68.52,55.33 73.1,55.33 73.1,55.32 v1(74.17,55.32)
  vias: v1(74.34,52.08) v1(74.34,49.54) v1(74.82,57.92) v1(75.15,45.86) v1(75.15,43.32) v1(75.15,40.78) v1(75.28,61.83) v1(75.84,58.79) v1(76.88,61.81) v1(76.88,59.7) v1(76.88,49.54) v1(77.69,45.86) v1(77.69,43.32) v1(77.69,40.78) v1(78.94,61.81) v1(79.42,59.7) v1(79.42,49.54) v1(80.23,45.86) v1(80.23,43.32) v1(80.23,40.78) v1(81.3,61.78) v1(81.96,59.7) v1(81.96,49.54)
/LV_Bridge/PWM-H1: length 34
  Top w0.6: U1.5 36.31,46.39 v1(36.32,46.39) ; J4.1 TP2.1
  Bottom w0.6: v1(36.32,46.39) 36.32,31.23 v1(44.65,22.9)
/LV_Bridge/PWM-H2: length 35.3
  Top w0.6: J6.1 74.62,19.24 v1(74.62,22.84) TP9.1 ; U5.5 61.67,44.91 v1(62.68,43.9)
  Bottom w0.6: v1(74.62,22.84) 62.68,34.78 v1(62.68,43.9)
/LV_Bridge/PWM-L1: length 37.6
  Top w0.6: U1.6 37.58,46.39 v1(37.59,46.39) ; TP7.1 v1(49.73,22.84) J4.3
  Bottom w0.6: v1(37.59,46.39) 37.59,31.58 46.37,22.79 46.43,22.84 v1(49.73,22.84)
/LV_Bridge/PWM-L2: length 37
  Top w0.6: U5.6 62.94,45.34 v1(64.08,44.21) ; TP12.1 v1(79.85,22.95) 79.85,19.29 J6.3
  Bottom w0.6: v1(64.08,44.21) 64.08,41.26 79.85,25.49 v1(79.85,22.95)
/LV_Bridge/V_LV+: length 1.4
  Top w0.2: 51.32,71.15 Q1.3 ; 76.97,71.5 Q3.3 ; 23.54,75.85 23.64,75.96
  vias: v1(10.69,70.77) v1(10.84,82.56) v1(10.84,80.02) v1(10.84,77.48) v1(10.84,74.94) v1(10.84,72.4) v1(13.38,90.18) v1(13.38,87.64) v1(13.38,85.1) v1(13.38,82.56) v1(13.38,80.02) v1(13.38,77.48) v1(13.38,74.94) v1(13.38,72.4) v1(13.38,70.74) v1(15.77,72.19) v1(15.92,90.18) v1(15.92,87.64) v1(15.92,85.1) v1(15.92,82.56) v1(15.92,80.02) v1(15.92,69.86) v1(18.05,70.19) v1(18.46,90.18) v1(18.46,87.64) v1(18.46,85.1) v1(18.46,82.56) v1(18.46,80.02) v1(18.46,72.4) v1(20.7,72.19) v1(20.8,70.95) v1(21,90.18) v1(21,87.64) v1(21,85.1) v1(21,82.56) v1(21,80.02) v1(23.54,90.18) v1(23.54,87.64) v1(23.54,85.1) v1(23.54,82.56) v1(23.54,80.02) v1(23.54,77.48) v1(23.54,74.94) v1(23.54,72.4) v1(23.57,70.93) v1(26.08,90.18) v1(26.08,87.64) v1(26.08,85.1) v1(26.08,82.56) v1(26.08,80.02) v1(26.08,77.48) v1(26.08,74.94) v1(26.06,72.38) v1(26.38,70.04) v1(28.62,90.18) v1(28.61,87.7) v1(28.62,85.1) v1(28.62,82.56) v1(28.62,80.02) v1(28.62,77.48) v1(28.62,74.94) v1(28.62,72.4) v1(28.62,69.86) v1(31.16,90.18) v1(31.15,87.7) v1(31.16,85.1) v1(31.16,82.56) v1(31.16,80.02) v1(31.16,77.48) v1(31.16,74.94) v1(31.16,72.4) v1(31.16,69.86) v1(33.7,90.18) v1(33.69,87.7) v1(33.7,85.1) v1(33.7,82.56) v1(33.7,80.02) v1(33.7,77.48) v1(33.7,74.94) v1(33.7,72.4) v1(33.7,69.86) v1(36.24,90.18) v1(36.23,87.7) v1(36.24,85.1) v1(36.24,82.56) v1(36.24,80.02) v1(36.24,77.48) v1(36.24,74.94) v1(36.24,72.4) v1(36.24,69.86) v1(38.78,90.18) v1(38.77,87.7) v1(38.78,85.1) v1(38.78,82.56) v1(38.78,80.02) v1(38.78,77.48) v1(38.78,74.94) v1(38.78,72.4) v1(38.78,69.86) v1(41.32,90.18) v1(41.31,87.7) v1(41.32,85.1) v1(41.32,82.56) v1(41.32,80.02) v1(41.32,77.48) v1(41.32,74.94) v1(41.32,72.4) v1(41.32,69.86) v1(43.86,90.18) v1(43.85,87.7) v1(43.86,85.1) v1(43.86,82.56) v1(43.86,80.02) v1(43.86,77.48) v1(43.86,74.94) v1(43.86,72.4) v1(43.86,69.86) v1(46.4,90.18) v1(46.39,87.7) v1(46.4,85.1) v1(46.4,82.56) v1(46.4,80.02) v1(46.4,77.48) v1(48.94,90.18) v1(48.94,87.64) v1(48.94,85.1) v1(48.94,82.56) v1(48.94,80.02) v1(48.94,77.48) v1(49.08,74.19) v1(49.08,71.65) v1(49.08,69.11) v1(51.49,90.12) v1(51.48,87.64) v1(51.49,85.04) v1(51.49,82.5) v1(51.49,79.96) v1(51.49,77.42) v1(51.63,74.13) v1(51.63,71.59) v1(51.63,69.05) v1(54.03,90.12) v1(54.02,87.64) v1(54.03,85.04) v1(54.03,82.5) v1(54.03,79.96) v1(54.03,77.42) v1(54.17,74.13) v1(54.17,71.59) v1(54.17,69.05) v1(56.56,90.18) v1(56.55,87.7) v1(56.56,85.1) v1(56.56,82.56) v1(56.56,80.02) v1(56.56,77.48) v1(59.1,90.18) v1(59.09,87.7) v1(59.1,85.1) v1(59.1,82.56) v1(59.1,80.02) v1(59.1,77.48) v1(59.1,74.94) v1(59.1,72.4) v1(59.1,69.86) v1(61.64,90.18) v1(61.63,87.7) v1(61.64,85.1) v1(61.64,82.56) v1(61.64,80.02) v1(61.64,77.48) v1(61.64,74.94) v1(61.64,72.4) v1(61.64,69.86) v1(64.18,90.18) v1(64.17,87.7) v1(64.18,85.1) v1(64.18,82.56) v1(64.18,80.02) v1(64.18,77.48) v1(64.18,74.94) v1(64.18,72.4) v1(64.18,69.86) v1(66.72,90.18) v1(66.71,87.7) v1(66.72,85.1) v1(66.72,82.56) v1(66.72,80.02) v1(66.72,77.48) v1(66.72,74.94) v1(66.72,72.4) v1(66.72,69.86) v1(69.26,90.18) v1(69.25,87.7) v1(69.26,85.1) v1(69.26,82.56) v1(69.26,80.02) v1(69.26,77.48) v1(69.26,74.94) v1(69.26,72.4) v1(69.26,69.86) v1(71.8,90.18) v1(71.79,87.7) v1(71.8,85.1) v1(71.8,82.56) v1(71.8,80.02) v1(71.8,77.48) v1(71.8,74.94) v1(71.8,72.4) v1(71.8,69.86) v1(74.34,90.18) v1(74.33,87.7) v1(74.34,85.1) v1(74.34,82.56) v1(74.34,80.02) v1(74.34,77.48) v1(75.15,73.57) v1(75.15,71.03) v1(75.15,68.49) v1(76.88,90.18) v1(76.87,87.7) v1(76.88,85.1) v1(76.88,82.56) v1(76.88,80.02) v1(76.88,77.48) v1(77.69,73.57) v1(77.69,71.03) v1(77.69,68.49) v1(79.42,90.18) v1(79.41,87.7) v1(79.42,85.1) v1(79.42,82.56) v1(79.42,80.02) v1(79.42,77.48) v1(80.23,73.57) v1(80.23,71.03) v1(80.23,68.49) v1(81.96,82.56) v1(81.96,80.02) v1(81.96,77.48)
/LV_Bridge/V_LV-: length 17.7
  Top w0.2: 22.14,57.26 22.14,57.13
  Top w0.6: C6.1 R4.2
  Top w1: 22.14,60.66 22.14,57.26 23.21,56.19 TP5.1 27.82,56.19 C6.1
  vias: v1(12.6,62.13) v1(14.43,60.05) v1(15.21,63.93) v1(15.42,62.26) v1(15.92,49.54) v1(15.92,47) v1(15.93,45.67) v1(15.92,44.46) v1(17.19,57.69) v1(17.88,48.19) v1(17.98,62.31) v1(18.05,59.24) v1(18.46,49.54) v1(18.46,44.46) v1(21.01,59.36) v1(21,57.16) v1(21,49.54) v1(21.21,62.33)
/LV_Bridge/V_LV-_sense: length 7.1
  Top w0.6: R7.1 v1(17.55,43.49) ; R5.3 v1(17.52,46.44)
  Bottom w0.6: v1(17.52,46.44) 17.55,46.42 v1(17.55,43.49)
/LV_Bridge/V_LV_Divider: length 49.5
  Top w0.4: U2.3 13.17,31.43 v1(13.17,31.44) ; v1(29.17,64.27) 29.19,64.25 31.71,64.25
  Top w0.6: C6.2 R4.1 ; C6.2 31.69,65.13 R3.2 ; C6.2 31.67,62.1
  Bottom w0.4: v1(29.17,64.27) 29.15,64.26 29.15,49.77 13.18,33.79 13.18,31.1
/LV_Bridge/V_LVsense: length 17.2
  Top w0.4: 9.69,31.39 9.65,31.43 U2.4 9.53,31.37 11.37,29.53 U2.1 13.2,29.53 v1(13.2,29.53) ; v1(19.03,23.34) J5.2
  Bottom w0.4: v1(19.03,23.34) 13.2,29.17 13.2,29.19
/LV_Bridge/Vref: length 23.3
  Top w0.4: U3.4 17.64,31.2 19.27,29.58 U3.1 ; U3.1 19.94,29.45 21.1,28.29 21.1,27.01 21.46,26.65 21.46,26.63 25.39,26.63 26.64,27.87 C8.2 ; U3.1 20.22,29.58
  Top w0.6: R12.1 26.61,35.96 C8.2
Net-(Q1-G): length 3.3
  Top w1: 47.13,64.2 46.67,63.73 R10.1
Net-(Q2-G): length 3.7
  Top w1: R11.1 47.25,35.37 48.02,36.13
Net-(Q3-G): length 3.5
  Top w1: R16.1 72.58,63.2 73.01,63.63
  Top w2: 68.15,63.88 R14.2
Net-(Q4-G): length 3.7
  Top w1: 73.31,36.13 72.81,35.62 R17.1
Net-(U1-HB): length 7.1
  Top w0.6: C2.1 36.25,55.67 v1(36.27,55.69) ; 38.83,55.66 v1(38.84,55.65) U1.2
  Bottom w0.6: v1(36.27,55.69) 36.3,55.65 v1(38.84,55.65)
Net-(U3-IN+): length 7.2
  Top w0.4: 22.01,31.12 R2.2 21.91,31.23 21.43,31.23 21.42,31.24 20.84,31.24 20.82,31.23 20.44,31.23 20.18,31.48 U3.3
  Top w0.6: C5.2 24.48,30.73 R2.2 R1.1
Net-(U4-IN+): length 10.8
  Top w0.4: 33.07,31.5 C8.1
  Top w0.6: R6.2 28.52,38.49 R12.2 28.61,35.96 C8.1
Net-(U4-IN-): length 18.7
  Top w0.4: 19.75,39.08 19.75,38.01 R13.2 ; 19.75,39.08 C10.1 19.43,40.44 R7.2 ; 19.75,39.08 v1(20.67,39.08) 20.75,39.08 ; U4.4 30.71,31.56 v1(29.59,31.56)
  Bottom w0.4: v1(20.67,39.08) 28.15,31.6 29.54,31.6 v1(29.59,31.56)
Net-(U5-HB): length 6.6
  Top w0.6: v1(64.21,55.15) 64.2,55.15 U5.2 ; C12.1 61.66,55.19 v1(61.67,55.18)
  Bottom w0.6: v1(64.21,55.15) 64.18,55.18 v1(61.67,55.18)

## Copper pours and planes (outline as drawn; the poured copper is in the pictures)
GND on Top: 23.9,49.49 30.78,49.49 30.8,49.46 30.8,44.16 23.9,44.16
GND on Top, Bottom, In1.Cu, In2.Cu: 0.05,91.86 91.92,91.86 91.92,-0.02 0.05,-0.02
GND on Top, In1.Cu, In2.Cu: 38.83,27.34 62.1,29.3 86.07,26.98 85.14,16.16 76.12,8.47 38.78,11.44
GND on Top, In1.Cu, In2.Cu: 3.22,41.92 36.24,41.44 36.24,31.76 38.78,31.76 38.78,11.44 3.22,11.44
/LV_Bridge/LSW1 on Top, Bottom, In1.Cu, In2.Cu: 57.42,39.3 56.59,65.29 48.18,65.31 48.18,63.13 47.42,51.57 47.09,39.35
/LV_Bridge/LSW1 on Top, Bottom, In1.Cu, In2.Cu: 48.18,65.31 48.18,61.71 48.13,60.41 47.87,58.4 50.39,58.43 50.13,65.31 56.31,65.29
/LV_Bridge/LSW2 on Top, Bottom, In1.Cu, In2.Cu: 82.57,39.35 82.21,64.68 74.14,64.65 74.06,59.62 72.56,39.2
/LV_Bridge/LSW2 on Top, Bottom, In1.Cu, In2.Cu: 74.14,64.78 74.06,59.62 74.06,57.82 76.7,57.82 76.52,64.78
/LV_Bridge/V_LV+ on Top: 34.44,67.57 34.44,68.89 28.78,68.89 28.78,67.59
/LV_Bridge/V_LV+ on Top, Bottom, In1.Cu, In2.Cu: 9.65,90.76 82.82,90.76 82.95,66.76 56.48,67.32 46.48,67.52 9.54,67.65
/LV_Bridge/V_LV- on Top, Bottom, In1.Cu, In2.Cu: 15.51,56.4 10.64,63.1 22.52,63.26 22.37,44.16 15.36,44.13
/LV_Bridge/V_LV- on Top, Bottom, In1.Cu, In2.Cu: 10.69,62.98 10.64,65.05 12.98,65.05 22.83,63.18
Net-(Q1-G) on Top: 44.12,65.23 47.9,65.31 47.9,63.09 44.12,62.76
Net-(Q2-G) on Top: 44.73,37.64 44.88,37.64 47.57,37.21 48.06,37.21 48.11,35.05 47.75,35.05 44.86,35.18 44.73,35.18
Net-(Q3-G) on Top: 69.62,64.78 69.62,65.13 69.82,65.13 73.76,64.72 73.76,62.54 73.08,62.54 69.8,62.64 69.6,62.61
Net-(Q4-G) on Top: 70.18,37.69 70.46,37.69 72.87,37.24 73.08,37.24 73.1,35.03 72.87,35.03 70.43,35.23 70.23,35.23 70.18,35.99

## Text on the board
F.Silkscreen: LibreDAB LV Bridge rev 0.1 / https://github.com/Stevie-Fairflow-Energy/LibreDAB / 21/08/2026
